# Altium PCB PROC114E3_BRD.PcbDoc (part 15 of 18)
Units mm, origin at the board's own origin, x right, y up, seen from the top; angles counter-clockwise.
Board outline 85 x 155.18 mm, 10 copper layers (TOP, L02_GND1, L03_SIG1, L04_GND2, L05_PWR1, L06_PWR2, L07_GND3, L08_SIG2, L09_GND4, BOTTOM), stack 1.134 mm thick; 1389 components, 1010 nets, 5137 pads, 3263 vias.
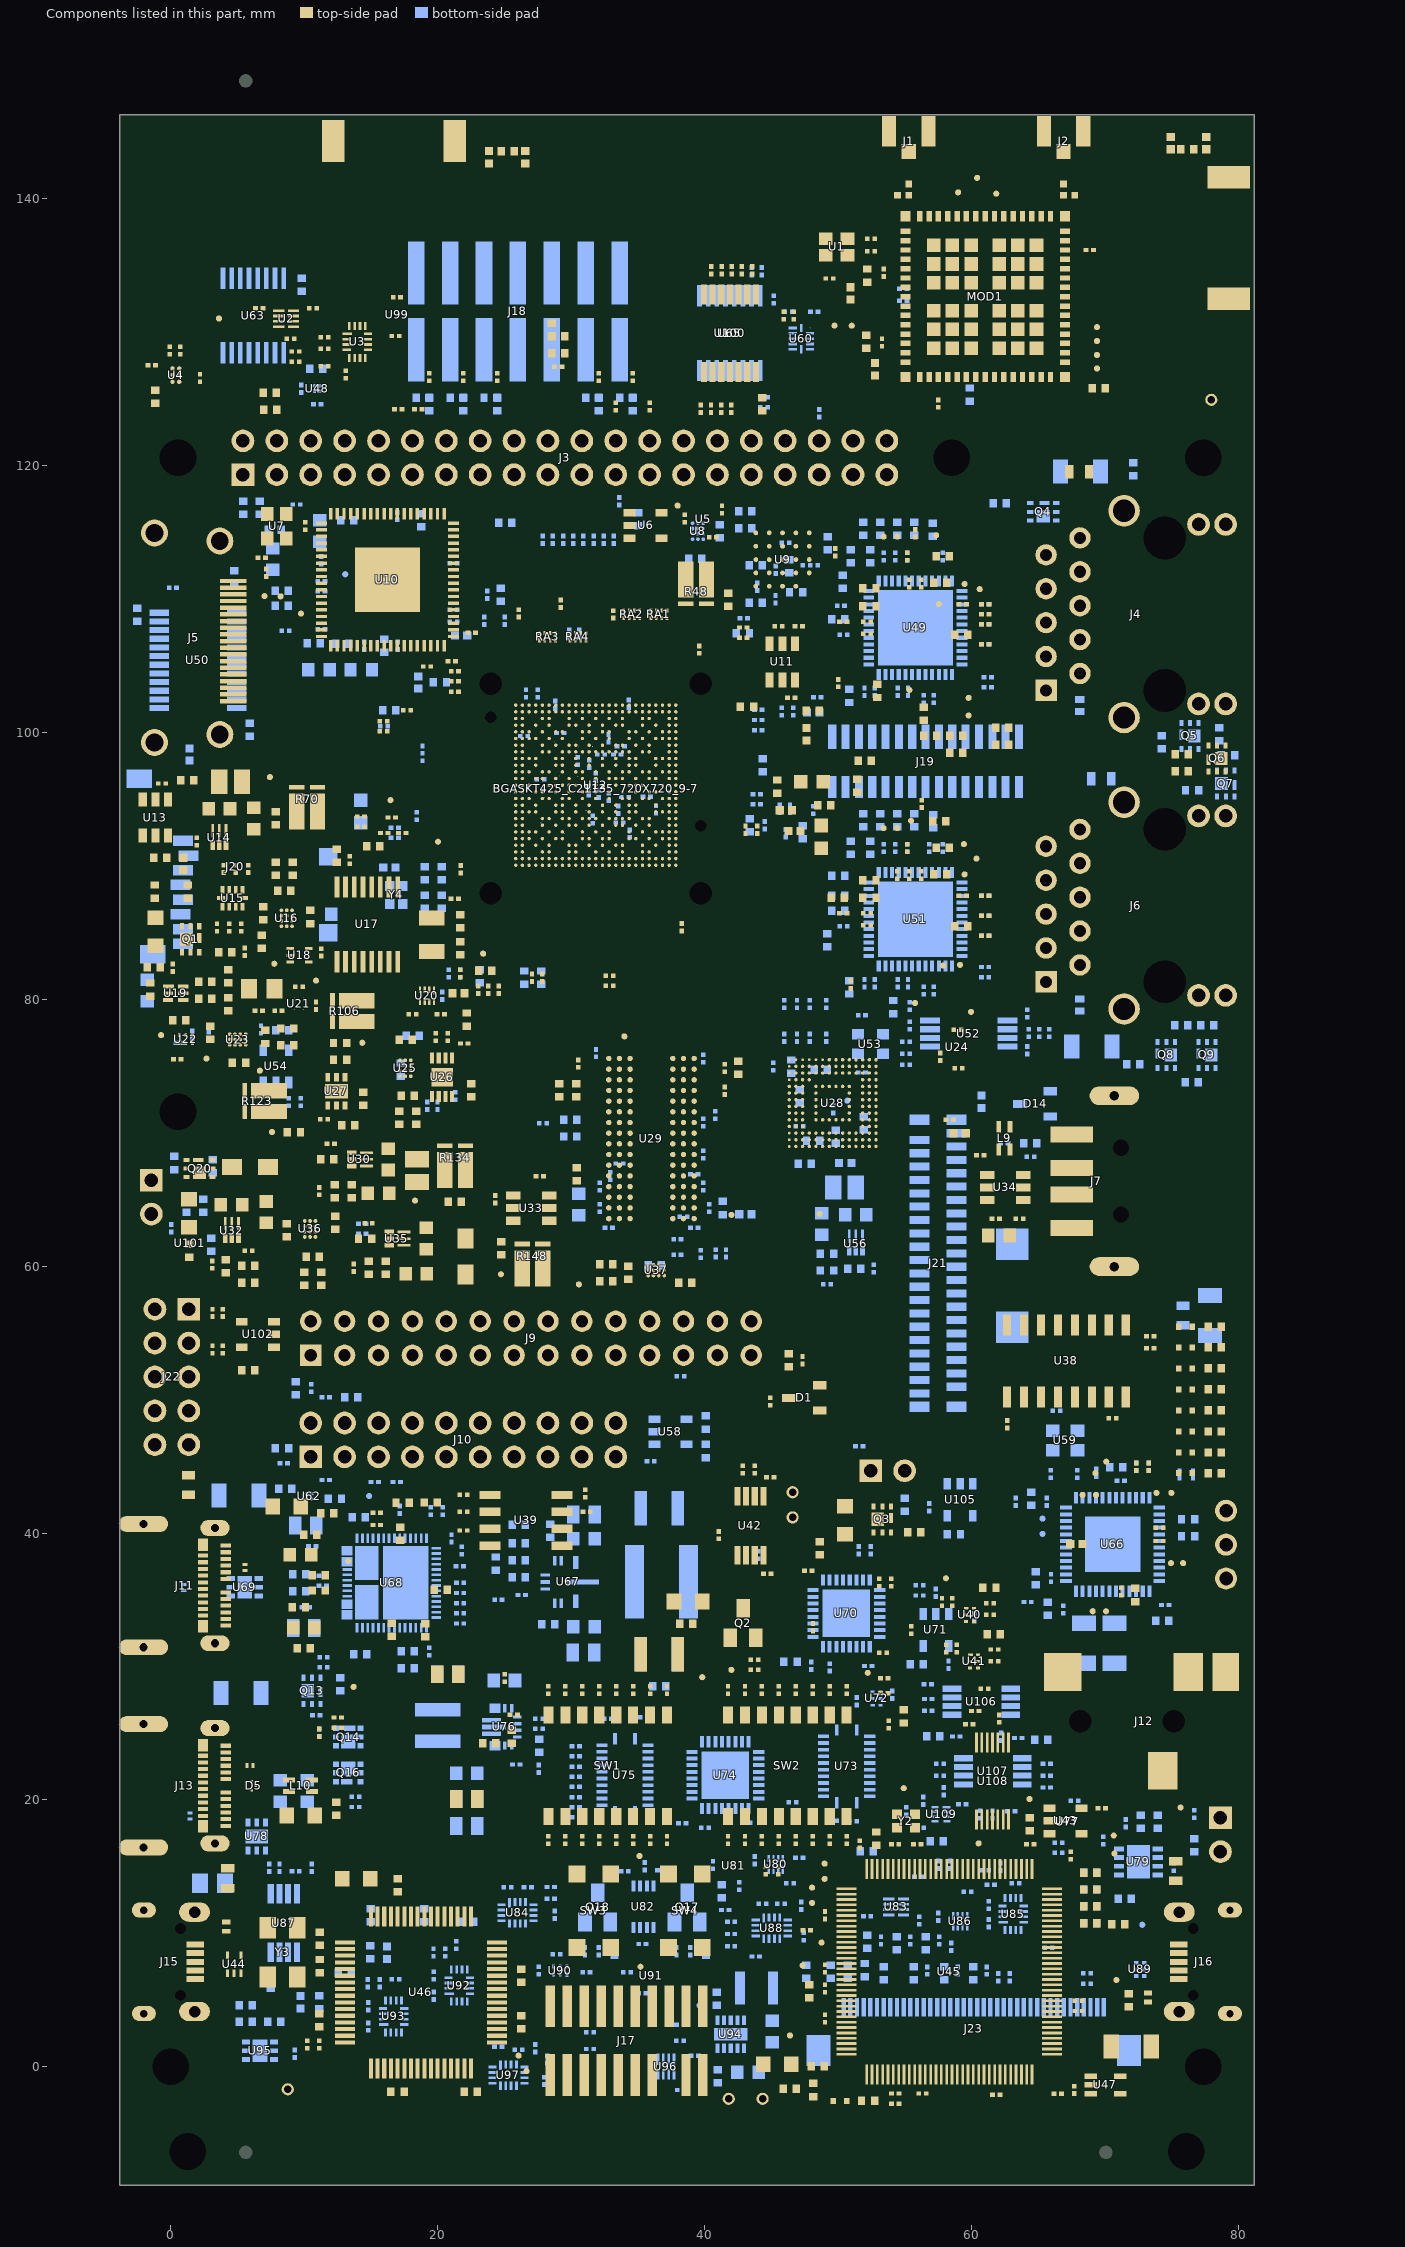
[diagram p23: the components of this part, seen from the top]

## Via types
v1: diameter 0.457, hole 0.203, TOP to BOTTOM, 3263 vias

## Nets (pads, with @x,y where several pads share a name; then routed paths per layer and width w, separated by ;. In a path a pad name is that pad's centre, name@x,y a point inside that pad or via, vN(x,y) a via of type N, cw(c..) or ccw(c..) an arc to the next point about the centre after c; other vN are vias at no path point) (continued)
pads on no net: A1.1 A1.2 A2.1 A2.2 BGASKT425_C21135_720X720_9-7. C1.1 C1.2 C2.1 C2.2 C3.1 C3.2 C4.1 C4.2 C5.1 C5.2 C6.1 C6.2 C7.1 C7.2 C8.1 C8.2 C9.1 C9.2 C10.1 C10.2 C11.1 C11.2 C12.1 C12.2 C13.1 C13.2 C14.1 C14.2 C15.1 C15.2 C16.1 C16.2 C17.1 C17.2 C18.1 C18.2 C19.1 C19.2 C20.1 C20.2 C21.1 C21.2 C22.1 C22.2 C23.1 C23.2 C24.1 C24.2 C25.1 C25.2 C26.1 C26.2 C27.1 C27.2 C28.1 C28.2 C29.1 C29.2 C30.1 C30.2 C31.1 C31.2 C32.1 C32.2 C33.1 C33.2 C34.1 C34.2 C35.1 C35.2 C36.1 C36.2 C37.1 C37.2 C38.1 C38.2 C39.1 C39.2 C40.1 C40.2 C41.1 C41.2 C42.1 C42.2 C43.1 C43.2 C44.1 C44.2 C45.1 C45.2 C46.1 C46.2 C47.1 C47.2 C48.1 C48.2 C49.1 C49.2 C50.1 C50.2 C51.1 C51.2 C52.1 C52.2 C53.1 C53.2 C54.1 C54.2 C55.1 C55.2 C56.1 C56.2 C57.1 C57.2 C58.1 C58.2 C59.1 C59.2 C60.1 C60.2 C61.1 C61.2 C62.1 C62.2 C63.1 C63.2 C64.1 C64.2 C65.1 C65.2 C66.1 C66.2 C67.1 C67.2 C68.1 C68.2 C69.1 C69.2 C70.1 C70.2 C71.1 C71.2 C72.1 C72.2 C73.1 C73.2 C74.1 C74.2 C75.1 C75.2 C76.1 C76.2 C77.1 C77.2 C78.1 C78.2 C79.1 C79.2 C80.1 C80.2 C81.1 C81.2 C82.1 C82.2 C83.1 C83.2 C84.1 C84.2 C85.1 C85.2 C86.1 C86.2 C87.1 C87.2 C88.1 C88.2 C89.1 C89.2 C90.1 C90.2 C91.1 C91.2 C92.1 C92.2 C93.1 C93.2 C94.1 C94.2 C95.1 C95.2 C96.1 C96.2 C97.1 C97.2 C98.1 C98.2 C99.1 C99.2 C100.1 C100.2 C101.1 C101.2 C102.1 C102.2 C103.1 C103.2 C104.1 C104.2 C105.1 C105.2 C106.1 C106.2 C107.1 C107.2 C108.1 C108.2 C110.1 C110.2 C111.1 C111.2 C112.1 C112.2 C113.1 C113.2 C114.1 C114.2 C115.1 C115.2 C116.1 C116.2 C117.1 C117.2 C118.1 C118.2 C119.1 C119.2 C120.1 C120.2 C121.1 C121.2 C122.1 C122.2 C129.1 C129.2 C134.1 C134.2 C135.1 C135.2 C136.1 C136.2 C137.1 C137.2 C138.1 C138.2 C139.1 C139.2 C140.1 C140.2 C141.1 C141.2 C142.1 C142.2 C143.1 C143.2 C144.1 C144.2 C145.1 C145.2 C146.1 C146.2 C147.1 C147.2 C148.1 C148.2 C149.1 C149.2 C150.1 C150.2 C151.1 C151.2 C152.1 C152.2 C153.1 C153.2 C154.1 C154.2 C155.1 C155.2 C156.1 C156.2 C157.1 C157.2 C158.1 C158.2 C159.1 C159.2 C160.1 C160.2 C161.1 C161.2 C162.1 C162.2 C164.1 C164.2 C166.1 C166.2 C167.1 C167.2 C169.1 C169.2 C170.1 C170.2 C171.1 C171.2 C172.1 C172.2 C173.1 C173.2 C174.1 C174.2 C175.1 C175.2 C176.1 C176.2 C177.1 C177.2 C178.1 C178.2 C179.1 C179.2 C180.1 C180.2 C181.1 C181.2 C182.1 C182.2 C183.1 C183.2 C184.1 C184.2 C185.1 C185.2 C186.1 C186.2 C187.1 C187.2 C188.1 C188.2 C189.1 C189.2 C190.1 C190.2 C191.1 C191.2 C192.1 C192.2 C193.1 C193.2 C194.1 C194.2 C195.1 C195.2 C196.1 C196.2 C197.1 C197.2 C198.1 C198.2 C199.1 C199.2 C200.1 C200.2 C201.1 C201.2 C202.1 C202.2 C203.1 C203.2 C204.1 C204.2 C205.1 C205.2 C206.1 C206.2 C207.1 C207.2 C208.1 C208.2 C209.1 C209.2 C210.1 C210.2 C211.1 C211.2 C212.1 C212.2 C213.1 C213.2 C214.1 C214.2 C215.1 C215.2 C216.1 C216.2 C217.1 C217.2 C218.1 C218.2 C219.1 C219.2 C220.1 C220.2 C221.1 C221.2 C222.1 C222.2 C223.1 C223.2 C224.1 C224.2 C225.1 C225.2 C226.1 C226.2 C227.1 C227.2 C228.1 C228.2 C229.1 C229.2 C230.1 C230.2 C231.1 C231.2 C232.1 C232.2 C233.1 C233.2 C234.1 C234.2 C235.1 C235.2 C236.1 C236.2 C237.1 C237.2 C238.1 C238.2 C239.1 C239.2 C240.1 C240.2 C241.1 C241.2 C242.1 C242.2 C243.1 C243.2 C244.1 C244.2 C245.1 C245.2 C246.1 C246.2 C247.1 C247.2 C248.1 C248.2 C249.1 C249.2 C250.1 C250.2 C251.1 C251.2 C252.1 C252.2 C253.1 C253.2 C254.1 C254.2 C255.1 C255.2 C256.1 C256.2 C257.1 C257.2 C258.1 C258.2 C259.1 C259.2 C260.1 C260.2 C261.1 C261.2 C262.1 C262.2 C263.1 C263.2 C264.1 C264.2 C265.1 C265.2 C266.1 C266.2 C267.1 C267.2 C268.1 C268.2 C269.1 C269.2 C270.1 C270.2 C271.1 C271.2 C272.1 C272.2 C273.1 C273.2 C274.1 C274.2 C275.1 C275.2 C276.1 C276.2 C277.1 C277.2 C278.1 C278.2 C279.1 C279.2 C280.1 C280.2 C281.1 C281.2 C282.1 C282.2 C283.1 C283.2 C284.1 C284.2 C285.1 C285.2 C286.1 C286.2 C287.1 C287.2 C288.1 C288.2 C289.1 C289.2 C290.1 C290.2 C291.1 C291.2 C292.1 C292.2 C293.1 C293.2 C294.1 C294.2 C295.1 C295.2 C296.1 C296.2 C297.1 C297.2 C298.1 C298.2 C299.1 C299.2 C300.1 C300.2 C301.1 C301.2 C302.1 C302.2 C303.1 C303.2 C304.1 C304.2 C305.1 C305.2 C306.1 C306.2 C307.1 C307.2 C308.1 C308.2 C309.1 C309.2 C310.1 C310.2 C311.1 C311.2 C312.1 C312.2 C313.1 C313.2 C314.1 C314.2 C315.1 C315.2 C316.1 C316.2 C317.1 C317.2 C318.1 C318.2 C319.1 C319.2 C320.1 C320.2 C321.1 C321.2 C322.1 C322.2 C323.1 C323.2 C324.1 C324.2 C325.1 C325.2 C326.1 C326.2 C327.1 C327.2 C328.1 C328.2 C329.1 C329.2 C330.1 C330.2 C331.1 C331.2 C332.1 C332.2 C333.1 C333.2 C334.1 C334.2 C335.1 C335.2 C336.1 C336.2 C337.1 C337.2 C338.1 C338.2 C339.1 C339.2 C340.1 C340.2 C341.1 C341.2 C343.1 C343.2 C344.1 C344.2 C346.1 C346.2 C347.1 C347.2 C349.1 C349.2 C350.1 C350.2 C351.1 C351.2 C352.1 C352.2 C353.1 C353.2 C354.1 C354.2 C355.1 C355.2 C356.1 C356.2 C357.1 C357.2 C358.1 C358.2 C359.1 C359.2 C361.1 C361.2 C362.1 C362.2 C363.1 C363.2 C365.1 C365.2 C367.1 C367.2 C371.1 C371.2 C372.1 C372.2 C375.1 C375.2 C376.1 C376.2 C377.1 C377.2 C379.1 C379.2 C380.1 C380.2 C381.1 C381.2 C384.1 C384.2 C385.1 C385.2 C386.1 C386.2 C387.1 C387.2 C388.1 C388.2 C391.1 C391.2 C392.1 C392.2 C393.1 C393.2 C394.1 C394.2 C395.1 C395.2 C396.1 C396.2 C397.1 C397.2 C398.1 C398.2 C399.1 C399.2 C400.1 C400.2 C401.1 C401.2 C402.1 C402.2 C404.1 C404.2 C405.1 C405.2 C406.1 C406.2 C407.1 C407.2 C408.1 C408.2 C409.1 C409.2 C410.1 C410.2 C411.1 C411.2 C412.1 C412.2 C413.1 C413.2 C414.1 C414.2 C415.1 C415.2 C416.1 C416.2 C417.1 C417.2 C418.1 C418.2 C419.1 C419.2 C420.1 C420.2 C421.1 C421.2 C422.1 C422.2 C423.1 C423.2 C424.1 C424.2 C425.1 C425.2 C426.1 C426.2 C427.1 C427.2 C429.1 C429.2 C430.1 C430.2 C431.1 C431.2 C432.1 C432.2 C433.1 C433.2 C435.1 C435.2 C437.1 C437.2 C439.1 C439.2 C440.1 C440.2 C441.1 C441.2 C442.1 C442.2 C443.1 C443.2 C445.1 C445.2 C446.1 C446.2 C449.1 C449.2 C450.1 C450.2 C451.1 C451.2 C452.1 C452.2 C453.1 C453.2 C454.1 C454.2 C455.1 C455.2 C456.1 C456.2 C457.1 C457.2 C458.1 C458.2 C459.1 C459.2 C460.1 C460.2 C461.1 C461.2 C462.1 C462.2 C463.1 C463.2 C464.1 C464.2 C465.1 C465.2 C466.1 C466.2 C467.1 C467.2 C468.1 C468.2 C469.1 C469.2 C470.1 C470.2 C471.1 C471.2 C472.1 C472.2 C473.1 C473.2 C474.1 C474.2 C475.1 C475.2 C476.1 C476.2 C477.1 C477.2 C478.1 C478.2 C479.1 C479.2 C480.1 C480.2 C481.1 C481.2 C482.1 C482.2 C483.1 C483.2 C484.1 C484.2 C485.1 C485.2 C486.1 C486.2 C487.1 C487.2 C488.1 C488.2 C489.1 C489.2 C490.1 C490.2 C491.1 C491.2 C492.1 C492.2 C493.1 C493.2 C496.1 C496.2 C497.1 C497.2 C498.1 C498.2 C499.1 C499.2 C500.1 C500.2 C502.1 C502.2 C509.1 C509.2 C510.1 C510.2 C511.1 C511.2 C512.1 C512.2 C513.1 C513.2 C514.1 C514.2 C515.1 C515.2 C516.1 C516.2 D1.1 D1.2 D1.3 D2.1 D2.2 D4.1 D4.2 D5.1 D5.2 D5.3 D7.1 D7.2 D8.1 D8.2 D9.1 D9.2 D10.1 D10.2 D12.1 D12.2 D13.1 D13.2 D14.1 D14.2 D14.3 FB1.1 FB1.2 FB2.1 FB2.2 FB3.1 FB3.2 FL1.1 FL1.2 FL2.1 FL2.2 FL3.1 FL3.2 FL4.1 FL4.2 FL5.1 FL5.2 FL6.1 FL6.2 FL7.1 FL7.2 FL8.1 FL8.2 FL9.1 FL9.2 FL10.1 FL10.2 FL12.1 FL12.2 FL13.1 FL13.2 FL14.1 FL14.2 FL15.1 FL15.2 FL16.1 FL16.2 FL17.1 FL17.2 FL18.1 FL18.2 FL19.1 FL19.2 FL20.1 FL20.2 FL21.1 FL21.2 FL22.1 FL22.2 FL23.1 FL23.2 FL25.1 FL25.2 FL26.1 FL26.2 J1.1 J1.2 J1.3 J2.1 J2.2 J2.3 J3.1 J3.2 J3.3 J3.4 J3.5 J3.6 J3.7 J3.8 J3.9 J3.10 J3.11 J3.12 J3.13 J3.14 J3.15 J3.16 J3.17 J3.18 J3.19 J3.20 J3.21 J3.22 J3.23 J3.24 J3.25 J3.26 J3.27 J3.28 J3.29 J3.30 J3.31 J3.32 J3.33 J3.34 J3.35 J3.36 J3.37 J3.38 J3.39 J3.40 J4. J4.1 J4.2 J4.3 J4.4 J4.5 J4.6 J4.7 J4.8 J4.9 J4.10 J4.11 J4.12 J4.13 J4.14 J4.15 J4.16 J5.1 J5.2 J5.3 J5.4 J5.5 J5.6 J5.7 J5.8 J5.9 J5.10 J5.11 J5.12 J5.13 J5.14 J5.15 J5.16 J5.17 J5.18 J5.19 J5.20 J5.21 J5.22 J5.23 J6. J6.1 J6.2 J6.3 J6.4 J6.5 J6.6 J6.7 J6.8 J6.9 J6.10 J6.11 J6.12 J6.13 J6.14 J6.15 J6.16 J7. J7.1 J7.2 J7.3 J7.4 J7.SH1 J7.SH2 J8.1 J8.2 J9.1 J9.2 J9.3 J9.4 J9.5 J9.6 J9.7 J9.8 J9.9 J9.10 J9.11 J9.12 J9.13 J9.14 J9.15 J9.16 J9.17 J9.18 J9.19 J9.20 J9.21 J9.22 J9.23 J9.24 J9.25 J9.26 J9.27 J9.28 J10.1 J10.2 J10.3 J10.4 J10.5 J10.6 J10.7 J10.8 J10.9 J10.10 J10.11 J10.12 J10.13 J10.14 J10.15 J10.16 J10.17 J10.18 J10.19 J10.20 J11.A1 J11.A2 J11.A3 J11.A4 J11.A5 J11.A6 J11.A7 J11.A8 J11.A9 J11.A10 J11.A11 J11.A12 J11.B1 J11.B2 J11.B3 J11.B4 J11.B5 J11.B6 J11.B7 J11.B8 J11.B9 J11.B10 J11.B11 J11.B12 J11.SH1 J11.SH2 J11.SH3 J11.SH4 J12. J12.1 J12.2 J12.3 J12.4 J13.A1 J13.A2 J13.A3 J13.A4 J13.A5 J13.A6 J13.A7 J13.A8 J13.A9 J13.A10 J13.A11 J13.A12 J13.B1 J13.B2 J13.B3 J13.B4 J13.B5 J13.B6 J13.B7 J13.B8 J13.B9 J13.B10 J13.B11 J13.B12 J13.SH1 J13.SH2 J13.SH3 J13.SH4 J14.1 J14.2 J15. J15.1 J15.2 J15.3 J15.4 J15.5 J15.6 J15.7 J15.8 J15.9 J16. J16.1 J16.2 J16.3 J16.4 J16.5 J16.6 J16.7 J16.8 J16.9 J17.1 J17.2 J17.3 J17.4 J17.5 J17.7 J17.8 J17.9 J17.10 J17.11 J17.12 J17.13 J17.14 J17.15 J17.16 J17.17 J17.18 J17.19 J17.20 J18.1 J18.2 J18.3 J18.4 J18.5 J18.6 J18.7 J18.8 J18.9 J18.10 J18.11 J18.12 J18.13 J18.14 J19.1A J19.1B J19.2A J19.2B J19.3A J19.3B J19.4A J19.4B J19.5A J19.5B J19.6A J19.6B J19.7A J19.7B J19.8A J19.8B J19.9A J19.9B J19.10A J19.10B J19.11A J19.11B J19.12A J19.12B J19.13A J19.13B J19.14A J19.14B J19.15A J19.15B J20.1 J20.2 J20.3 J20.4 J20.5 J20.6 J20.7 J20.8 J20.9 J20.SH1 J20.SH2 J20.SH3 J20.SH4 J21.1 J21.2 J21.3 J21.4 J21.5 J21.6 J21.7 J21.8 J21.9 J21.10 J21.11 J21.12 J21.13 J21.14 J21.15 J21.16 J21.17 J21.18 J21.19 J21.20 J21.21 J21.22 J21.23 J21.24 J21.25 J21.26 J21.27 J21.28 J21.29 J21.30 J21.31 J21.32 J21.33 J21.34 J21.35 J21.36 J21.37 J21.38 J21.39 J21.40 J21.SH1 J21.SH2 J21.SH3 J21.SH4 J22.1 J22.2 J22.3 J22.4 J22.5 J22.6 J22.7 J22.8 J22.9 J22.10 J23.1 J23.2 J23.3 J23.4 J23.5 J23.6 J23.7 J23.8 J23.9 J23.10 J23.11 J23.12 J23.13 J23.14 J23.15 J23.16 J23.17 J23.18 J23.19 J23.20 J23.21 J23.22 J23.23 J23.24 J23.25 J23.26 J23.27 J23.28 J23.29 J23.30 J23.31 J23.32 J23.33 J23.34 J23.35 J23.36 J23.37 J23.38 J23.39 J23.40 J23.41 J23.42 J24.1 J24.2 L1.1 L1.2 L2.1 L2.2 L3.1 L3.2 L4.1 L4.2 L5.1 L5.2 L7.1 L7.2 L8.1 L8.2 L9.1 L9.2 L9.3 L9.4 L10.1 L10.2 L10.3 L10.4 L11.1 L11.2 L12.1 L12.2 L13.1 L13.2 L14.1 L14.2 L15.1 L15.2 LD1.1 LD1.2 LD2.1 LD2.2 LD3.1 LD3.2 LD4.1 LD4.2 LD5.1 LD5.2 LD6.1 LD6.2 LD7.1 LD7.2 LD8.1 LD8.2 LD9.1 LD9.2 LD10.1 LD10.2 LD11.1 LD11.2 LD12.1 LD12.2 LD13.1 LD13.2 LD14.1 LD14.2 LD15.1 LD15.2 LD16.1 LD16.2 LD17.1 LD17.2 MOD1.1 MOD1.2 MOD1.3 MOD1.4 MOD1.5 MOD1.6 MOD1.7 MOD1.8 MOD1.9 MOD1.10 MOD1.11 MOD1.12 MOD1.13 MOD1.14 MOD1.15 MOD1.16 MOD1.17 MOD1.18 MOD1.19 MOD1.20 MOD1.21 MOD1.22 MOD1.23 MOD1.24 MOD1.25 MOD1.26 MOD1.27 MOD1.28 MOD1.29 MOD1.30 MOD1.31 MOD1.32 MOD1.33 MOD1.34 MOD1.35 MOD1.36 MOD1.37 MOD1.38 MOD1.39 MOD1.40 MOD1.41 MOD1.42 MOD1.43 MOD1.44 MOD1.45 MOD1.46 MOD1.47 MOD1.48 MOD1.49 MOD1.50 MOD1.51 MOD1.52 MOD1.53 MOD1.54 MOD1.55 MOD1.56 MOD1.57 MOD1.58 MOD1.59 MOD1.60 MOD1.61 MOD1.62 MOD1.63 MOD1.64 MOD1.G1 MOD1.G2 MOD1.G3 MOD1.G4 MOD1.G5 MOD1.G6 MOD1.G7 MOD1.G8 MOD1.G9 MOD1.G10 MOD1.G11 MOD1.G12 MOD1.G13 MOD1.G14 MOD1.G15 MOD1.G16 MOD1.G17 MOD1.G18 MOD1.G19 MOD1.G20 MOD1.G21 MOD1.G22 MOD1.G23 MOD1.G24 MOD1.G25 MOD1.G26 MOD1.G27 MOD1.G28 MOD1.G29 MOD1.G30 MOD1.G31 MOD1.G32 MOD1.G33 MOD1.G34 MOD1.G35 MOD1.G36 Q1.1 Q1.2 Q1.3 Q1.4 Q1.5 Q1.6 Q1.7 Q1.8 Q2.1 Q2.2 Q2.3 Q3.1 Q3.2 Q3.3 Q3.4 Q3.5 Q3.6 Q3.7 Q3.8 Q4.1 Q4.2 Q4.3 Q4.4 Q4.5 Q4.6 Q4.7 Q4.8 Q5.1 Q5.2 Q5.3 Q5.4 Q5.5 Q5.6 Q5.7 Q5.8 Q6.1 Q6.2 Q6.3 Q6.4 Q6.5 Q6.6 Q6.7 Q6.8 Q7.1 Q7.2 Q7.3 Q7.4 Q7.5 Q7.6 Q7.7 Q7.8 Q8.1 Q8.2 Q8.3 Q8.4 Q8.5 Q8.6 Q8.7 Q8.8 Q9.1 Q9.2 Q9.3 Q9.4 Q9.5 Q9.6 Q9.7 Q9.8 Q13.1 Q13.2 Q13.3 Q13.4 Q13.5 Q13.6 Q13.7 Q13.8 Q14.1 Q14.2 Q14.3 Q14.4 Q14.5 Q14.6 Q14.7 Q14.8 Q16.1 Q16.2 Q16.3 Q16.4 Q16.5 Q16.6 Q16.7 Q16.8 Q17.1 Q17.2 Q17.3 Q18.1 Q18.2 Q18.3 Q20.1 Q20.2 Q20.3 Q20.4 Q20.5 Q20.6 Q20.7 Q20.8 R1.1 R1.2 R2.1 R2.2 R3.1 R3.2 R4.1 R4.2 R5.1 R5.2 R6.1 R6.2 R7.1 R7.2 R8.1 R8.2 R9.1 R9.2 R10.1 R10.2 R11.1 R11.2 R12.1 R12.2 R13.1 R13.2 R14.1 R14.2 R15.1 R15.2 R16.1 R16.2 R17.1 R17.2 R18.1 R18.2 R19.1 R19.2 R20.1 R20.2 R21.1 R21.2 R22.1 R22.2 R23.1 R23.2 R24.1 R24.2 R25.1 R25.2 R26.1 R26.2 R27.1 R27.2 R28.1 R28.2 R29.1 R29.2 R30.1 R30.2 R31.1 R31.2 R32.1 R32.2 R33.1 R33.2 R34.1 R34.2 R35.1 R35.2 R36.1 R36.2 R37.1 R37.2 R38.1 R38.2 R39.1 R39.2 R41.1 R41.2 R47.1 R47.2 R48.1 R48.2 R48.3 R48.4 R49.1 R49.2 R52.1 R52.2 R53.1 R53.2 R54.1 R54.2 R55.1 R55.2 R56.1 R56.2 R57.1 R57.2 R58.1 R58.2 R60.1 R60.2 R61.1 R61.2 R62.1 R62.2 R63.1 R63.2 R64.1 R64.2 R65.1 R65.2 R66.1 R66.2 R67.1 R67.2 R68.1 R68.2 R69.1 R69.2 R70.1 R70.2 R70.3 R70.4 R71.1 R71.2 R72.1 R72.2 R73.1 R73.2 R74.1 R74.2 R75.1 R75.2 R76.1 R76.2 R77.1 R77.2 R78.1 R78.2 R79.1 R79.2 R80.1 R80.2 R81.1 R81.2 R82.1 R82.2 R83.1 R83.2 R84.1 R84.2 R85.1 R85.2 R86.1 R86.2 R87.1 R87.2 R88.1 R88.2 R89.1 R89.2 R90.1 R90.2 R91.1 R91.2 R92.1 R92.2 R93.1 R93.2 R94.1 R94.2 R95.1 R95.2 R96.1 R96.2 R97.1 R97.2 R98.1 R98.2 R99.1 R99.2 R100.1 R100.2 R101.1 R101.2 R102.1 R102.2 R103.1 R103.2 R104.1 R104.2 R105.1 R105.2 R106.1 R106.2 R106.3 R106.4 R107.1 R107.2 R108.1 R108.2 R109.1 R109.2 R110.1 R110.2 R111.1 R111.2 R112.1 R112.2 R113.1 R113.2 R114.1 R114.2 R115.1 R115.2 R116.1 R116.2 R117.1 R117.2 R118.1 R118.2 R119.1 R119.2 R120.1 R120.2 R121.1 R121.2 R122.1 R122.2 R123.1 R123.2 R123.3 R123.4 R124.1 R124.2 R125.1 R125.2 R126.1 R126.2 R127.1 R127.2 R129.1 R129.2 R130.1 R130.2 R132.1 R132.2 R133.1 R133.2 R134.1 R134.2 R134.3 R134.4 R135.1 R135.2 R136.1 R136.2 R137.1 R137.2 R140.1 R140.2 R141.1 R141.2 R142.1 R142.2 R143.1 R143.2 R144.1 R144.2 R145.1 R145.2 R146.1 R146.2 R147.1 R147.2 R148.1 R148.2 R148.3 R148.4 R149.1 R149.2 R150.1 R150.2 R151.1 R151.2 R152.1 R152.2 R153.1 R153.2 R154.1 R154.2 R155.1 R155.2 R156.1 R156.2 R157.1 R157.2 R158.1 R158.2 R159.1 R159.2 R160.1 R160.2 R161.1 R161.2 R162.1 R162.2 R163.1 R163.2 R164.1 R164.2 R165.1 R165.2 R166.1 R166.2 R167.1 R167.2 R168.1 R168.2 R169.1 R169.2 R170.1 R170.2 R171.1 R171.2 R172.1 R172.2 R173.1 R173.2 R175.1 R175.2 R176.1 R176.2 R177.1 R177.2 R178.1 R178.2 R179.1 R179.2 R180.1 R180.2 R181.1 R181.2 R182.1 R182.2 R184.1 R184.2 R185.1 R185.2 R187.1 R187.2 R188.1 R188.2 R189.1 R189.2 R190.1 R190.2 R191.1 R191.2 R192.1 R192.2 R193.1 R193.2 R194.1 R194.2 R195.1 R195.2 R196.1 R196.2 R197.1 R197.2 R198.1 R198.2 R199.1 R199.2 R200.1 R200.2 R201.1 R201.2 R202.1 R202.2 R203.1 R203.2 R204.1 R204.2 R205.1 R205.2 R206.1 R206.2 R207.1 R207.2 R208.1 R208.2 R209.1 R209.2 R210.1 R210.2 R211.1 R211.2 R212.1 R212.2 R213.1 R213.2 R214.1 R214.2 R215.1 R215.2 R216.1 R216.2 R217.1 R217.2 R218.1 R218.2 R219.1 R219.2 R220.1 R220.2 R221.1 R221.2 R222.1 R222.2 R223.1 R223.2 R224.1 R224.2 R225.1 R225.2 R226.1 R226.2 R227.1 R227.2 R228.1 R228.2 R229.1 R229.2 R230.1 R230.2 R231.1 R231.2 R232.1 R232.2 R235.1 R235.2 R236.1 R236.2 R237.1 R237.2 R238.1 R238.2 R239.1 R239.2 R240.1 R240.2 R241.1 R241.2 R242.1 R242.2 R243.1 R243.2 R244.1 R244.2 R245.1 R245.2 R246.1 R246.2 R247.1 R247.2 R248.1 R248.2 R249.1 R249.2 R250.1 R250.2 R251.1 R251.2 R252.1 R252.2 R253.1 R253.2 R254.1 R254.2 R255.1 R255.2 R256.1 R256.2 R257.1 R257.2 R258.1 R258.2 R259.1 R259.2 R260.1 R260.2 R261.1 R261.2 R262.1 R262.2 R264.1 R264.2 R265.1 R265.2 R266.1 R266.2 R267.1 R267.2 R268.1 R268.2 R269.1 R269.2 R270.1 R270.2 R271.1 R271.2 R272.1 R272.2 R273.1 R273.2 R274.1 R274.2 R275.1 R275.2 R276.1 R276.2 R277.1 R277.2 R278.1 R278.2 R279.1 R279.2 R280.1 R280.2 R281.1 R281.2 R282.1 R282.2 R283.1 R283.2 R284.1 R284.2 R285.1 R285.2 R286.1 R286.2 R287.1 R287.2 R288.1 R288.2 R289.1 R289.2 R290.1 R290.2 R291.1 R291.2 R292.1 R292.2 R293.1 R293.2 R294.1 R294.2 R295.1 R295.2 R296.1 R296.2 R297.1 R297.2 R298.1 R298.2 R299.1 R299.2 R300.1 R300.2 R301.1 R301.2 R302.1 R302.2 R303.1 R303.2 R304.1 R304.2 R305.1 R305.2 R306.1 R306.2 R307.1 R307.2 R308.1 R308.2 R309.1 R309.2 R310.1 R310.2 R311.1 R311.2 R312.1 R312.2 R313.1 R313.2 R314.1 R314.2 R315.1 R315.2 R316.1 R316.2 R317.1 R317.2 R318.1 R318.2 R319.1 R319.2 R320.1 R320.2 R321.1 R321.2 R322.1 R322.2 R323.1 R323.2 R324.1 R324.2 R325.1 R325.2 R326.1 R326.2 R327.1 R327.2 R328.1 R328.2 R329.1 R329.2 R330.1 R330.2 R331.1 R331.2 R333.1 R333.2 R334.1 R334.2 R335.1 R335.2 R336.1 R336.2 R337.1 R337.2 R338.1 R338.2 R339.1 R339.2 R340.1 R340.2 R341.1 R341.2 R342.1 R342.2 R343.1 R343.2 R344.1 R344.2 R345.1 R345.2 R346.1 R346.2 R347.1 R347.2 R348.1 R348.2 R349.1 R349.2 R350.1 R350.2 R351.1 R351.2 R352.1 R352.2 R353.1 R353.2 R354.1 R354.2 R355.1 R355.2 R356.1 R356.2 R357.1 R357.2 R358.1 R358.2 R359.1 R359.2 R360.1 R360.2 R361.1 R361.2 R362.1 R362.2 R363.1 R363.2 R364.1 R364.2 R365.1 R365.2 R366.1 R366.2 R367.1 R367.2 R368.1 R368.2 R369.1 R369.2 R370.1 R370.2 R371.1 R371.2 R372.1 R372.2 R373.1 R373.2 R374.1 R374.2 R375.1 R375.2 R376.1 R376.2 R377.1 R377.2 R378.1 R378.2 R379.1 R379.2 R380.1 R380.2 R381.1 R381.2 R382.1 R382.2 R383.1 R383.2 R384.1 R384.2 R385.1 R385.2 R386.1 R386.2 R387.1 R387.2 R388.1 R388.2 R389.1 R389.2 R390.1 R390.2 R391.1 R391.2 R392.1 R392.2 R393.1 R393.2 R394.1 R394.2 R395.1 R395.2 R396.1 R396.2 R397.1 R397.2 R398.1 R398.2 R399.1 R399.2 R400.1 R400.2 R402.1 R402.2 R403.1 R403.2 R404.1 R404.2 R406.1 R406.2 R407.1 R407.2 R408.1 R408.2 R410.1 R410.2 R411.1 R411.2 R412.1 R412.2 R418.1 R418.2 R420.1 R420.2 R421.1 R421.2 R422.1 R422.2 R425.1 R425.2 R426.1 R426.2 R427.1 R427.2 R431.1 R431.2 R432.1 R432.2 R433.1 R433.2 R437.1 R437.2 R438.1 R438.2 R439.1 R439.2 R440.1 R440.2 R441.1 R441.2 R442.1 R442.2 R445.1 R445.2 R446.1 R446.2 R449.1 R449.2 R450.1 R450.2 R451.1 R451.2 R452.1 R452.2 R453.1 R453.2 R454.1 R454.2 R455.1 R455.2 R457.1 R457.2 R459.1 R459.2 R460.1 R460.2 R461.1 R461.2 R464.1 R464.2 R465.1 R465.2 R466.1 R466.2 R467.1 R467.2 R468.1 R468.2 R469.1 R469.2 R470.1 R470.2 R471.1 R471.2 R472.1 R472.2 R473.1 R473.2 R474.1 R474.2 R475.1 R475.2 R477.1 R477.2 R478.1 R478.2 R479.1 R479.2 R480.1 R480.2 R481.1 R481.2 R482.1 R482.2 R483.1 R483.2 R484.1 R484.2 R485.1 R485.2 R486.1 R486.2 R487.1 R487.2 R488.1 R488.2 R489.1 R489.2 R490.1 R490.2 R491.1 R491.2 R492.1 R492.2 R494.1 R494.2 R495.1 R495.2 R497.1 R497.2 R498.1 R498.2 R499.1 R499.2 R501.1 R501.2 R502.1 R502.2 R504.1 R504.2 R506.1 R506.2 R508.1 R508.2 R509.1 R509.2 R511.1 R511.2 R513.1 R513.2 R514.1 R514.2 R515.1 R515.2 R516.1 R516.2 R517.1 R517.2 R518.1 R518.2 R519.1 R519.2 R520.1 R520.2 R521.1 R521.2 R522.1 R522.2 R525.1 R525.2 R526.1 R526.2 R527.1 R527.2 R530.1 R530.2 R531.1 R531.2 R533.1 R533.2 R534.1 R534.2 R535.1 R535.2 R537.1 R537.2 R538.1 R538.2 R539.1 R539.2 R540.1 R540.2 R541.1 R541.2 R542.1 R542.2 R543.1 R543.2 R544.1 R544.2 R546.1 R546.2 R550.1 R550.2 R551.1 R551.2 R552.1 R552.2 R553.1 R553.2 R554.1 R554.2 R555.1 R555.2 R556.1 R556.2 R557.1 R557.2 R558.1 R558.2 R559.1 R559.2 R560.1 R560.2 R561.1 R561.2 R562.1 R562.2 R563.1 R563.2 R564.1 R564.2 R565.1 R565.2 R566.1 R566.2 R567.1 R567.2 R568.1 R568.2 R569.1 R569.2 R570.1 R570.2 R571.1 R571.2 R572.1 R572.2 R573.1 R573.2 R574.1 R574.2 R575.1 R575.2 R576.1 R576.2 R577.1 R577.2 R578.1 R578.2 R579.1 R579.2 R580.1 R580.2 R581.1 R581.2 R583.1 R583.2 R584.1 R584.2 R585.1 R585.2 R586.1 R586.2 R587.1 R587.2 R589.1 R589.2 R590.1 R590.2 R591.1 R591.2 R592.1 R592.2 R593.1 R593.2 R594.1 R594.2 R595.1 R595.2 R596.1 R596.2 R597.1 R597.2 R598.1 R598.2 R599.1 R599.2 R600.1 R600.2 R601.1 R601.2 R602.1 R602.2 R603.1 R603.2 R604.1 R604.2 R605.1 R605.2 R606.1 R606.2 R607.1 R607.2 R608.1 R608.2 R609.1 R609.2 R610.1 R610.2 R611.1 R611.2 R612.1 R612.2 R614.1 R614.2 R616.1 R616.2 R617.1 R617.2 R625.1 R625.2 R641.1 R641.2 R642.1 R642.2 R643.1 R643.2 R645.1 R645.2 R646.1 R646.2 R647.1 R647.2 R648.1 R648.2 R649.1 R649.2 R650.1 R650.2 R654.1 R654.2 R655.1 R655.2 R656.1 R656.2 R657.1 R657.2 R658.1 R658.2 R659.1 R659.2 R660.1 R660.2 R661.1 R661.2 R662.1 R662.2 R663.1 R663.2 R664.1 R664.2 R665.1 R665.2 R666.1 R666.2 R667.1 R667.2 R668.1 R668.2 R669.1 R669.2 R670.1 R670.2 R671.1 R671.2 R672.1 R672.2 R673.1 R673.2 R674.1 R674.2 R684.1 R684.2 R685.1 R685.2 R686.1 R686.2 R687.1 R687.2 R688.1 R688.2 R689.1 R689.2 R690.1 R690.2 R691.1 R691.2 R692.1 R692.2 R693.1 R693.2 R694.1 R694.2 R695.1 R695.2 R696.1 R696.2 R697.1 R697.2 R698.1 R698.2 RA1.1 RA1.2 RA1.3 RA1.4 RA1.5 RA1.6 RA1.7 RA1.8 RA2.1 RA2.2 RA2.3 RA2.4 RA2.5 RA2.6 RA2.7 RA2.8 RA3.1 RA3.2 RA3.3 RA3.4 RA3.5 RA3.6 RA3.7 RA3.8 RA4.1 RA4.2 RA4.3 RA4.4 RA4.5 RA4.6 RA4.7 RA4.8 SW1.1 SW1.2 SW1.3 SW1.4 SW1.5 SW1.6 SW1.7 SW1.8 SW1.9 SW1.10 SW1.11 SW1.12 SW1.13 SW1.14 SW1.15 SW1.16 SW2.1 SW2.2 SW2.3 SW2.4 SW2.5 SW2.6 SW2.7 SW2.8 SW2.9 SW2.10 SW2.11 SW2.12 SW2.13 SW2.14 SW2.15 SW2.16 SW3.1 SW3.2 SW3.3 SW3.4 SW4.1 SW4.2 SW4.3 SW4.4

## Text inside footprints (layer, text, board x,y; h text height)
R127: PIN_NUMBER "2" at 13.687,70.444 h0.25; PIN_NUMBER "1" at 12.707,70.444 h0.25
R129: PIN_NUMBER "1" at 6.217,60.151 h0.25 r180; PIN_NUMBER "2" at 5.237,60.151 h0.25 r180
R130: PIN_NUMBER "1" at 11.621,69.047 h0.25; PIN_NUMBER "2" at 12.181,69.047 h0.25
R132: PIN_NUMBER "2" at 11.157,68.133 h0.25 r180; PIN_NUMBER "1" at 12.137,68.133 h0.25 r180
R133: PIN_NUMBER "2" at 6.217,58.627 h0.25; PIN_NUMBER "1" at 5.237,58.627 h0.25
R134: PIN_NUMBER "3" at 21.998,67.195 h0.25; PIN_NUMBER "2" at 20.448,67.195 h0.25; PIN_NUMBER "4" at 21.998,68.893 h0.25; PIN_NUMBER "1" at 20.448,68.893 h0.25; Top Overlay "4" at 22.912,68.748 h0.51; Top Overlay "3" at 22.912,66.97 h0.51; Top Overlay "2" at 19.712,64.865 h0.51
R135: PIN_NUMBER "2" at 30.192,66.409 h0.25 r270; PIN_NUMBER "1" at 30.192,67.388 h0.25 r270; PROC101E2 TMDS64GPEVM_T "R38" at 29.76,67.28 h0.76 r180
R136: PIN_NUMBER "1" at 12.323,65.128 h0.25 r90; PIN_NUMBER "2" at 12.323,66.108 h0.25 r90
R137: PIN_NUMBER "2" at 13.339,65.128 h0.25 r270; PIN_NUMBER "1" at 13.339,66.108 h0.25 r270
R140: PIN_NUMBER "2" at 27.277,66.864 h0.25 r180; PIN_NUMBER "1" at 27.837,66.864 h0.25 r180
R141: PIN_NUMBER "1" at 3.155,59.836 h0.25 r90; PIN_NUMBER "2" at 3.155,60.396 h0.25 r90
R142: PIN_NUMBER "2" at 3.917,59.501 h0.25 r270; PIN_NUMBER "1" at 3.917,60.481 h0.25 r270
R143: PIN_NUMBER "2" at 15,63.104 h0.25; PIN_NUMBER "1" at 14.441,63.104 h0.25
R144: PIN_NUMBER "2" at 13.977,62.189 h0.25 r180; PIN_NUMBER "1" at 14.957,62.189 h0.25 r180
R145: PIN_NUMBER "1" at 9.778,59.553 h0.25 r270; PIN_NUMBER "2" at 9.778,58.573 h0.25 r270
R146: PIN_NUMBER "2" at 12.095,62.752 h0.25 r270; PIN_NUMBER "1" at 12.095,63.732 h0.25 r270
R147: PIN_NUMBER "1" at 11.048,59.553 h0.25 r270; PIN_NUMBER "2" at 11.048,58.573 h0.25 r270
R148: PIN_NUMBER "3" at 27.789,59.829 h0.25; PIN_NUMBER "1" at 26.239,61.527 h0.25; PIN_NUMBER "4" at 27.789,61.527 h0.25; PIN_NUMBER "2" at 26.239,59.829 h0.25; Top Overlay "4" at 28.627,61.487 h0.51; Top Overlay "3" at 28.627,59.683 h0.51; Top Overlay "2" at 25.274,59.734 h0.51
R149: PIN_NUMBER "1" at 33.047,60.271 h0.25 r180; PIN_NUMBER "2" at 32.067,60.271 h0.25 r180
R150: PIN_NUMBER "2" at 14.888,60.368 h0.25 r90; PIN_NUMBER "1" at 14.888,59.388 h0.25 r90
R151: PIN_NUMBER "2" at 15.904,59.388 h0.25 r270; PIN_NUMBER "1" at 15.904,60.368 h0.25 r270
R152: PIN_NUMBER "1" at 44.719,50.13 h0.25 r270; PIN_NUMBER "2" at 44.719,49.57 h0.25 r270
R153: PIN_NUMBER "1" at 46.109,53.436 h0.25 r270; PIN_NUMBER "2" at 46.109,52.456 h0.25 r270
R154: PIN_NUMBER "2" at 38.96,58.633 h0.25; PIN_NUMBER "1" at 37.98,58.633 h0.25
R155: PIN_NUMBER "2" at 32.067,59.001 h0.25 r180; PIN_NUMBER "1" at 33.047,59.001 h0.25 r180
R156: PIN_NUMBER "2" at 47.125,52.666 h0.25 r270; PIN_NUMBER "1" at 47.125,53.225 h0.25 r270
R157: PIN_NUMBER "1" at 3.164,56.219 h0.25 r90; PIN_NUMBER "2" at 3.164,56.779 h0.25 r90
R158: PIN_NUMBER "1" at 3.926,56.219 h0.25 r90; PIN_NUMBER "2" at 3.926,56.779 h0.25 r90
R159: PIN_NUMBER "1" at 78.634,55.585 h0.25 r180; PIN_NUMBER "2" at 77.654,55.585 h0.25 r180
R160: PIN_NUMBER "2" at 73.586,54.62 h0.25; PIN_NUMBER "1" at 73.026,54.62 h0.25
R161: PIN_NUMBER "1" at 78.634,54.036 h0.25 r180; PIN_NUMBER "2" at 77.654,54.036 h0.25 r180
R162: PIN_NUMBER "2" at 73.586,53.731 h0.25; PIN_NUMBER "1" at 73.026,53.731 h0.25
R163: PIN_NUMBER "1" at 3.164,53.477 h0.25 r90; PIN_NUMBER "2" at 3.164,54.036 h0.25 r90
R164: PIN_NUMBER "1" at 3.926,53.477 h0.25 r90; PIN_NUMBER "2" at 3.926,54.036 h0.25 r90
R165: PIN_NUMBER "1" at 55.275,33.004 h0.25 r270; PIN_NUMBER "2" at 55.275,32.444 h0.25 r270
R166: PIN_NUMBER "1" at 78.634,52.461 h0.25 r180; PIN_NUMBER "2" at 77.654,52.461 h0.25 r180
R167: PIN_NUMBER "1" at 78.634,50.886 h0.25 r180; PIN_NUMBER "2" at 77.654,50.886 h0.25 r180
R168: PIN_NUMBER "1" at 78.634,49.312 h0.25 r180; PIN_NUMBER "2" at 77.654,49.312 h0.25 r180
R169: PIN_NUMBER "2" at 70.767,48.461 h0.25; PIN_NUMBER "1" at 70.207,48.461 h0.25
R170: PIN_NUMBER "1" at 78.634,47.737 h0.25 r180; PIN_NUMBER "2" at 77.654,47.737 h0.25 r180
R171: PIN_NUMBER "1" at 78.634,46.162 h0.25 r180; PIN_NUMBER "2" at 77.654,46.162 h0.25 r180
R172: PIN_NUMBER "2" at 72.404,45.248 h0.25 r90; PIN_NUMBER "1" at 72.404,44.688 h0.25 r90
R173: PIN_NUMBER "2" at 73.318,45.248 h0.25 r90; PIN_NUMBER "1" at 73.318,44.688 h0.25 r90
R175: PIN_NUMBER "1" at 78.634,44.613 h0.25 r180; PIN_NUMBER "2" at 77.654,44.613 h0.25 r180
R176: PIN_NUMBER "2" at 9.531,128.424 h0.25; PIN_NUMBER "1" at 8.971,128.424 h0.25
R177: PIN_NUMBER "1" at 21.557,42.733 h0.25; PIN_NUMBER "2" at 22.117,42.733 h0.25
R178: PIN_NUMBER "2" at 1.36,44.336 h0.25 r90; PIN_NUMBER "1" at 1.36,42.857 h0.25 r90
R179: PIN_NUMBER "1" at 21.557,41.463 h0.25; PIN_NUMBER "2" at 22.117,41.463 h0.25
R180: PIN_NUMBER "1" at 31.354,41.717 h0.25 r180; PIN_NUMBER "2" at 30.794,41.717 h0.25 r180
R181: PIN_NUMBER "1" at 15.069,41.387 h0.25; PIN_NUMBER "2" at 15.628,41.387 h0.25
R182: PIN_NUMBER "1" at 12.124,41.615 h0.25 r180; PIN_NUMBER "2" at 11.145,41.615 h0.25 r180
R184: PIN_NUMBER "1" at 15.069,40.472 h0.25; PIN_NUMBER "2" at 15.628,40.472 h0.25
R185: PIN_NUMBER "1" at 21.557,40.066 h0.25; PIN_NUMBER "2" at 22.117,40.066 h0.25
R187: PIN_NUMBER "2" at 47.96,37.032 h0.25; PIN_NUMBER "1" at 47.4,37.032 h0.25
R188: PIN_NUMBER "2" at 48.414,38.375 h0.25 r270; PIN_NUMBER "1" at 48.414,39.355 h0.25 r270
R189: PIN_NUMBER "1" at 61.753,36.021 h0.25 r180; PIN_NUMBER "2" at 60.774,36.021 h0.25 r180
R190: PIN_NUMBER "2" at 57.835,35.107 h0.25 r90; PIN_NUMBER "1" at 57.835,34.547 h0.25 r90
R191: PIN_NUMBER "2" at 58.597,35.107 h0.25 r90; PIN_NUMBER "1" at 58.597,34.547 h0.25 r90
R192: PIN_NUMBER "2" at 61.59,34.624 h0.25; PIN_NUMBER "1" at 61.03,34.624 h0.25
R193: PIN_NUMBER "2" at 47.913,32.662 h0.25 r270; PIN_NUMBER "1" at 47.913,33.221 h0.25 r270
R194: PIN_NUMBER "1" at 62.082,32.541 h0.25 r180; PIN_NUMBER "2" at 61.102,32.541 h0.25 r180
R195: PIN_NUMBER "2" at 58.163,31.627 h0.25 r90; PIN_NUMBER "1" at 58.163,31.068 h0.25 r90
R196: PIN_NUMBER "2" at 58.925,31.627 h0.25 r90; PIN_NUMBER "1" at 58.925,31.068 h0.25 r90
R197: PIN_NUMBER "2" at 61.919,31.144 h0.25; PIN_NUMBER "1" at 61.359,31.144 h0.25
R198: PIN_NUMBER "1" at 56.118,40.178 h0.25 r180; PIN_NUMBER "2" at 55.138,40.178 h0.25 r180
R199: PIN_NUMBER "1" at 53.012,30.907 h0.25; PIN_NUMBER "2" at 53.571,30.907 h0.25
R200: PIN_NUMBER "1" at 43.931,30.637 h0.25 r180; PIN_NUMBER "2" at 43.371,30.637 h0.25 r180
R201: PIN_NUMBER "2" at 53.66,29.001 h0.25; PIN_NUMBER "1" at 53.1,29.001 h0.25
R202: PIN_NUMBER "2" at 37.225,28.51 h0.25 r90; PIN_NUMBER "1" at 37.225,27.95 h0.25 r90
R203: PIN_NUMBER "2" at 35.955,28.51 h0.25 r90; PIN_NUMBER "1" at 35.955,27.95 h0.25 r90
R204: PIN_NUMBER "2" at 34.685,28.51 h0.25 r90; PIN_NUMBER "1" at 34.685,27.95 h0.25 r90
R205: PIN_NUMBER "2" at 33.415,28.51 h0.25 r90; PIN_NUMBER "1" at 33.415,27.95 h0.25 r90
R206: PIN_NUMBER "2" at 32.145,28.51 h0.25 r90; PIN_NUMBER "1" at 32.145,27.95 h0.25 r90
R207: PIN_NUMBER "2" at 30.875,28.51 h0.25 r90; PIN_NUMBER "1" at 30.875,27.95 h0.25 r90
R208: PIN_NUMBER "2" at 29.605,28.51 h0.25 r90; PIN_NUMBER "1" at 29.605,27.95 h0.25 r90
R209: PIN_NUMBER "2" at 28.335,28.51 h0.25 r90; PIN_NUMBER "1" at 28.335,27.95 h0.25 r90
R210: PIN_NUMBER "2" at 50.687,28.51 h0.25 r90; PIN_NUMBER "1" at 50.687,27.95 h0.25 r90
R211: PIN_NUMBER "2" at 49.417,28.51 h0.25 r90; PIN_NUMBER "1" at 49.417,27.95 h0.25 r90
R212: PIN_NUMBER "2" at 48.147,28.51 h0.25 r90; PIN_NUMBER "1" at 48.147,27.95 h0.25 r90
R213: PIN_NUMBER "2" at 46.877,28.51 h0.25 r90; PIN_NUMBER "1" at 46.877,27.95 h0.25 r90
R214: PIN_NUMBER "2" at 45.607,28.51 h0.25 r90; PIN_NUMBER "1" at 45.607,27.95 h0.25 r90
R215: PIN_NUMBER "2" at 44.337,28.51 h0.25 r90; PIN_NUMBER "1" at 44.337,27.95 h0.25 r90
R216: PIN_NUMBER "2" at 43.067,28.51 h0.25 r90; PIN_NUMBER "1" at 43.067,27.95 h0.25 r90
R217: PIN_NUMBER "2" at 41.797,28.51 h0.25 r90; PIN_NUMBER "1" at 41.797,27.95 h0.25 r90
R218: PIN_NUMBER "1" at 40.86,40.122 h0.25 r270; PIN_NUMBER "2" at 40.86,39.562 h0.25 r270
R219: PIN_NUMBER "2" at 4.053,13.393 h0.25 r270; PIN_NUMBER "1" at 4.053,14.872 h0.25 r270
R220: PIN_NUMBER "2" at 53.1,28.134 h0.25 r180; PIN_NUMBER "1" at 53.66,28.134 h0.25 r180
R221: PIN_NUMBER "1" at 53.853,25.364 h0.25 r90; PIN_NUMBER "2" at 53.853,25.924 h0.25 r90
R222: PIN_NUMBER "2" at 54.949,26.742 h0.25 r90; PIN_NUMBER "1" at 54.949,25.762 h0.25 r90
R223: PIN_NUMBER "1" at 12.702,25.537 h0.25 r180; PIN_NUMBER "2" at 12.142,25.537 h0.25 r180
R224: PIN_NUMBER "2" at 62.278,24.45 h0.25 r90; PIN_NUMBER "1" at 62.278,25.009 h0.25 r90
R225: PIN_NUMBER "2" at 60.705,18.626 h0.25 r90; PIN_NUMBER "1" at 60.705,19.185 h0.25 r90
R226: PIN_NUMBER "2" at 61.619,18.626 h0.25 r90; PIN_NUMBER "1" at 61.619,19.185 h0.25 r90
R227: PIN_NUMBER "1" at 12.175,19.817 h0.25 r270; PIN_NUMBER "2" at 12.175,18.837 h0.25 r270
R228: PIN_NUMBER "2" at 64.412,18.676 h0.25 r90; PIN_NUMBER "1" at 64.412,17.696 h0.25 r90
R229: PIN_NUMBER "2" at 59.914,26.792 h0.25 r180; PIN_NUMBER "1" at 60.474,26.792 h0.25 r180
R230: PIN_NUMBER "2" at 62.123,26.37 h0.25 r90; PIN_NUMBER "1" at 62.123,25.81 h0.25 r90
R231: PIN_NUMBER "2" at 54.889,19.455 h0.25 r270; PIN_NUMBER "1" at 54.889,18.895 h0.25 r270
R232: PIN_NUMBER "2" at 63.17,19.279 h0.25 r180; PIN_NUMBER "1" at 62.61,19.279 h0.25 r180
R235: PIN_NUMBER "2" at 52.897,17.594 h0.25 r90; PIN_NUMBER "1" at 52.897,16.614 h0.25 r90
R236: PIN_NUMBER "2" at 36.971,16.722 h0.25 r270; PIN_NUMBER "1" at 36.971,17.282 h0.25 r270
R237: PIN_NUMBER "2" at 35.701,16.722 h0.25 r270; PIN_NUMBER "1" at 35.701,17.282 h0.25 r270
R238: PIN_NUMBER "2" at 34.431,16.722 h0.25 r270; PIN_NUMBER "1" at 34.431,17.282 h0.25 r270
R239: PIN_NUMBER "2" at 33.161,16.722 h0.25 r270; PIN_NUMBER "1" at 33.161,17.282 h0.25 r270
R240: PIN_NUMBER "2" at 31.891,16.722 h0.25 r270; PIN_NUMBER "1" at 31.891,17.282 h0.25 r270
R241: PIN_NUMBER "2" at 30.621,16.722 h0.25 r270; PIN_NUMBER "1" at 30.621,17.282 h0.25 r270
R242: PIN_NUMBER "2" at 29.351,16.722 h0.25 r270; PIN_NUMBER "1" at 29.351,17.282 h0.25 r270
R243: PIN_NUMBER "2" at 28.081,16.722 h0.25 r270; PIN_NUMBER "1" at 28.081,17.282 h0.25 r270
R244: PIN_NUMBER "2" at 50.433,16.722 h0.25 r270; PIN_NUMBER "1" at 50.433,17.282 h0.25 r270
R245: PIN_NUMBER "2" at 49.163,16.722 h0.25 r270; PIN_NUMBER "1" at 49.163,17.282 h0.25 r270
R246: PIN_NUMBER "2" at 47.893,16.722 h0.25 r270; PIN_NUMBER "1" at 47.893,17.282 h0.25 r270
R247: PIN_NUMBER "2" at 46.623,16.722 h0.25 r270; PIN_NUMBER "1" at 46.623,17.282 h0.25 r270
R248: PIN_NUMBER "2" at 45.353,16.722 h0.25 r270; PIN_NUMBER "1" at 45.353,17.282 h0.25 r270
R249: PIN_NUMBER "2" at 44.083,16.722 h0.25 r270; PIN_NUMBER "1" at 44.083,17.282 h0.25 r270
R250: PIN_NUMBER "2" at 42.813,16.722 h0.25 r270; PIN_NUMBER "1" at 42.813,17.282 h0.25 r270
R251: PIN_NUMBER "2" at 41.543,16.722 h0.25 r270; PIN_NUMBER "1" at 41.543,17.282 h0.25 r270
R252: PIN_NUMBER "1" at 67.483,15.556 h0.25 r90; PIN_NUMBER "2" at 67.483,16.116 h0.25 r90
R253: PIN_NUMBER "1" at 44.383,14.984 h0.25 r270; PIN_NUMBER "2" at 44.383,14.425 h0.25 r270
R254: PIN_NUMBER "1" at 45.297,14.984 h0.25 r270; PIN_NUMBER "2" at 45.297,14.425 h0.25 r270
R255: PIN_NUMBER "1" at 69.313,14.681 h0.25 r180; PIN_NUMBER "2" at 68.333,14.681 h0.25 r180
R256: PIN_NUMBER "1" at 75.096,15.406 h0.25 r270; PIN_NUMBER "2" at 75.096,13.926 h0.25 r270
R257: PIN_NUMBER "2" at 17.035,14.089 h0.25 r90; PIN_NUMBER "1" at 17.035,13.109 h0.25 r90
R258: PIN_NUMBER "1" at 69.313,13.411 h0.25 r180; PIN_NUMBER "2" at 68.333,13.411 h0.25 r180
R259: PIN_NUMBER "1" at 69.313,12.141 h0.25 r180; PIN_NUMBER "2" at 68.333,12.141 h0.25 r180
R260: PIN_NUMBER "1" at 69.313,10.871 h0.25 r180; PIN_NUMBER "2" at 68.333,10.871 h0.25 r180
R261: PIN_NUMBER "2" at 71.394,10.559 h0.25; PIN_NUMBER "1" at 70.414,10.559 h0.25
R262: PIN_NUMBER "2" at 47.843,10.094 h0.25; PIN_NUMBER "1" at 47.283,10.094 h0.25
R264: PIN_NUMBER "2" at 67.654,5.065 h0.25 r180; PIN_NUMBER "1" at 68.213,5.065 h0.25 r180
R265: PIN_NUMBER "2" at 67.654,4.303 h0.25 r180; PIN_NUMBER "1" at 68.213,4.303 h0.25 r180
R266: PIN_NUMBER "2" at 10.022,1.381 h0.25 r270; PIN_NUMBER "1" at 10.022,1.941 h0.25 r270
R267: PIN_NUMBER "1" at 48.891,0.163 h0.25 r180; PIN_NUMBER "2" at 47.911,0.163 h0.25 r180
R268: PIN_NUMBER "1" at 45.803,-1.76 h0.25; PIN_NUMBER "2" at 46.783,-1.76 h0.25
R269: PIN_NUMBER "2" at 47.944,-2.232 h0.25 r270; PIN_NUMBER "1" at 47.944,-1.252 h0.25 r270
R270: PIN_NUMBER "1" at 66.104,-2.138 h0.25; PIN_NUMBER "2" at 66.664,-2.138 h0.25
R271: PIN_NUMBER "1" at 52.654,-2.429 h0.25 r180; PIN_NUMBER "2" at 51.674,-2.429 h0.25 r180
R272: PIN_NUMBER "2" at 55.082,133.386 h0.25 r180; PIN_NUMBER "1" at 54.522,133.386 h0.25 r180
R273: PIN_NUMBER "1" at 55.082,132.217 h0.25; PIN_NUMBER "2" at 54.522,132.217 h0.25
R274: PIN_NUMBER "1" at 9.57,125.485 h0.25 r270; PIN_NUMBER "2" at 9.57,126.044 h0.25 r270
R275: PIN_NUMBER "2" at 34.522,125.226 h0.25 r180; PIN_NUMBER "1" at 33.542,125.226 h0.25 r180
R276: PIN_NUMBER "2" at 31.982,125.226 h0.25 r180; PIN_NUMBER "1" at 31.002,125.226 h0.25 r180
R277: PIN_NUMBER "2" at 24.362,125.226 h0.25 r180; PIN_NUMBER "1" at 23.382,125.226 h0.25 r180
R278: PIN_NUMBER "2" at 21.822,125.226 h0.25 r180; PIN_NUMBER "1" at 20.842,125.226 h0.25 r180
R279: PIN_NUMBER "2" at 19.282,125.226 h0.25 r180; PIN_NUMBER "1" at 18.302,125.226 h0.25 r180
R280: PIN_NUMBER "1" at 34.395,124.119 h0.25 r270; PIN_NUMBER "2" at 34.395,125.099 h0.25 r270
R281: PIN_NUMBER "1" at 31.855,124.119 h0.25 r270; PIN_NUMBER "2" at 31.855,125.099 h0.25 r270
R282: PIN_NUMBER "2" at 24.235,125.099 h0.25 r270; PIN_NUMBER "1" at 24.235,124.119 h0.25 r270
R283: PIN_NUMBER "1" at 21.695,124.119 h0.25 r270; PIN_NUMBER "2" at 21.695,125.099 h0.25 r270
R284: PIN_NUMBER "1" at 19.155,124.119 h0.25 r270; PIN_NUMBER "2" at 19.155,125.099 h0.25 r270
R285: PIN_NUMBER "2" at 48.622,123.645 h0.25 r90; PIN_NUMBER "1" at 48.622,124.204 h0.25 r90
R286: PIN_NUMBER "1" at 72.151,120.208 h0.25 r90; PIN_NUMBER "2" at 72.151,119.228 h0.25 r90
R287: PIN_NUMBER "1" at 9.056,117.206 h0.25 r180; PIN_NUMBER "2" at 9.616,117.206 h0.25 r180
R288: PIN_NUMBER "2" at 78.602,99.368 h0.25 r90; PIN_NUMBER "1" at 78.602,100.348 h0.25 r90
R289: PIN_NUMBER "1" at 61.552,117.312 h0.25 r180; PIN_NUMBER "2" at 62.532,117.312 h0.25 r180
R290: PIN_NUMBER "2" at 24.493,115.581 h0.25; PIN_NUMBER "1" at 25.473,115.581 h0.25
R291: PIN_NUMBER "2" at 55.487,115.752 h0.25 r270; PIN_NUMBER "1" at 55.487,114.772 h0.25 r270
R292: PIN_NUMBER "1" at 54.471,115.752 h0.25 r90; PIN_NUMBER "2" at 54.471,114.772 h0.25 r90
R293: PIN_NUMBER "1" at 53.201,115.752 h0.25 r90; PIN_NUMBER "2" at 53.201,114.772 h0.25 r90
R294: PIN_NUMBER "2" at 51.677,115.752 h0.25 r270; PIN_NUMBER "1" at 51.677,114.772 h0.25 r270
R295: PIN_NUMBER "1" at 57.145,115.682 h0.25 r90; PIN_NUMBER "2" at 57.145,114.702 h0.25 r90
R296: PIN_NUMBER "1" at 33.389,117.04 h0.25 r270; PIN_NUMBER "2" at 33.389,117.6 h0.25 r270
R297: PIN_NUMBER "1" at 46.255,114.085 h0.25; PIN_NUMBER "2" at 45.696,114.085 h0.25
R298: PIN_NUMBER "1" at 52.439,113.702 h0.25 r90; PIN_NUMBER "2" at 52.439,112.722 h0.25 r90
R299: PIN_NUMBER "1" at 50.991,113.702 h0.25 r90; PIN_NUMBER "2" at 50.991,112.722 h0.25 r90
R300: PIN_NUMBER "2" at 57.647,113.464 h0.25 r270; PIN_NUMBER "1" at 57.647,112.904 h0.25 r270
R301: PIN_NUMBER "1" at 54.344,113.464 h0.25 r90; PIN_NUMBER "2" at 54.344,112.904 h0.25 r90
R302: PIN_NUMBER "1" at 53.455,113.464 h0.25 r90; PIN_NUMBER "2" at 53.455,112.904 h0.25 r90
R303: PIN_NUMBER "1" at 30.961,114.726 h0.25 r90; PIN_NUMBER "2" at 30.961,114.167 h0.25 r90
R304: PIN_NUMBER "1" at 49.845,113.224 h0.25 r90; PIN_NUMBER "2" at 49.845,113.783 h0.25 r90
R305: PIN_NUMBER "2" at 46.382,111.964 h0.25 r90; PIN_NUMBER "1" at 46.382,112.944 h0.25 r90
R306: PIN_NUMBER "1" at 31.723,114.726 h0.25 r90; PIN_NUMBER "2" at 31.723,114.167 h0.25 r90
R307: PIN_NUMBER "1" at 33.247,114.726 h0.25 r90; PIN_NUMBER "2" at 33.247,114.167 h0.25 r90
R308: PIN_NUMBER "1" at 32.485,114.726 h0.25 r90; PIN_NUMBER "2" at 32.485,114.167 h0.25 r90
R309: PIN_NUMBER "1" at 30.199,114.726 h0.25 r90; PIN_NUMBER "2" at 30.199,114.167 h0.25 r90
R310: PIN_NUMBER "1" at 28.675,114.726 h0.25 r90; PIN_NUMBER "2" at 28.675,114.167 h0.25 r90
R311: PIN_NUMBER "2" at 50.154,111.778 h0.25 r270; PIN_NUMBER "1" at 50.154,110.798 h0.25 r270
R312: PIN_NUMBER "1" at 46.275,110.645 h0.25 r180; PIN_NUMBER "2" at 47.255,110.645 h0.25 r180
R313: PIN_NUMBER "1" at 43.726,110.639 h0.25 r270; PIN_NUMBER "2" at 43.726,111.199 h0.25 r270
R314: PIN_NUMBER "2" at 0.345,110.983 h0.25 r180; PIN_NUMBER "1" at -0.215,110.983 h0.25 r180
R315: PIN_NUMBER "2" at 45.112,112.48 h0.25 r270; PIN_NUMBER "1" at 45.112,111.92 h0.25 r270
R316: PIN_NUMBER "1" at 7.721,110.754 h0.25 r180; PIN_NUMBER "2" at 8.701,110.754 h0.25 r180
R317: PIN_NUMBER "1" at 45.103,109.706 h0.25 r270; PIN_NUMBER "2" at 45.103,110.266 h0.25 r270
R318: PIN_NUMBER "1" at 29.437,114.726 h0.25 r90; PIN_NUMBER "2" at 29.437,114.167 h0.25 r90
R319: PIN_NUMBER "1" at 27.913,114.726 h0.25 r90; PIN_NUMBER "2" at 27.913,114.167 h0.25 r90
R320: PIN_NUMBER "2" at 47.835,112.653 h0.25 r180; PIN_NUMBER "1" at 47.275,112.653 h0.25 r180
R321: PIN_NUMBER "1" at 44.231,109.579 h0.25; PIN_NUMBER "2" at 43.251,109.579 h0.25
R322: PIN_NUMBER "2" at 49.848,109.358 h0.25; PIN_NUMBER "1" at 50.408,109.358 h0.25
R323: PIN_NUMBER "2" at 8.701,109.611 h0.25 r180; PIN_NUMBER "1" at 7.721,109.611 h0.25 r180
R324: PIN_NUMBER "1" at 49.428,108.596 h0.25 r180; PIN_NUMBER "2" at 50.408,108.596 h0.25 r180
R325: PIN_NUMBER "1" at 8.218,107.757 h0.25 r180; PIN_NUMBER "2" at 8.777,107.757 h0.25 r180
R326: PIN_NUMBER "2" at 11.121,106.817 h0.25 r180; PIN_NUMBER "1" at 10.141,106.817 h0.25 r180
R327: PIN_NUMBER "2" at 13.245,106.778 h0.25 r180; PIN_NUMBER "1" at 12.265,106.778 h0.25 r180
R328: PIN_NUMBER "2" at 61.408,104.262 h0.25 r180; PIN_NUMBER "1" at 60.848,104.262 h0.25 r180
R329: PIN_NUMBER "1" at 56.969,102.23 h0.25 r270; PIN_NUMBER "2" at 56.969,102.79 h0.25 r270
R330: PIN_NUMBER "2" at 56.461,102.23 h0.25 r90; PIN_NUMBER "1" at 56.461,102.79 h0.25 r90
R331: PIN_NUMBER "1" at 34.344,102.435 h0.25 r90; PIN_NUMBER "2" at 34.344,101.875 h0.25 r90
R333: PIN_NUMBER "2" at 15.793,101.536 h0.25; PIN_NUMBER "1" at 16.773,101.536 h0.25
R334: PIN_NUMBER "2" at 75.194,97.233 h0.25 r180; PIN_NUMBER "1" at 76.174,97.233 h0.25 r180
R335: PIN_NUMBER "1" at 78.649,98.407 h0.25 r180; PIN_NUMBER "2" at 79.629,98.407 h0.25 r180